# KiCad board imx8x_carrier_v1.kicad_pcb (continued)
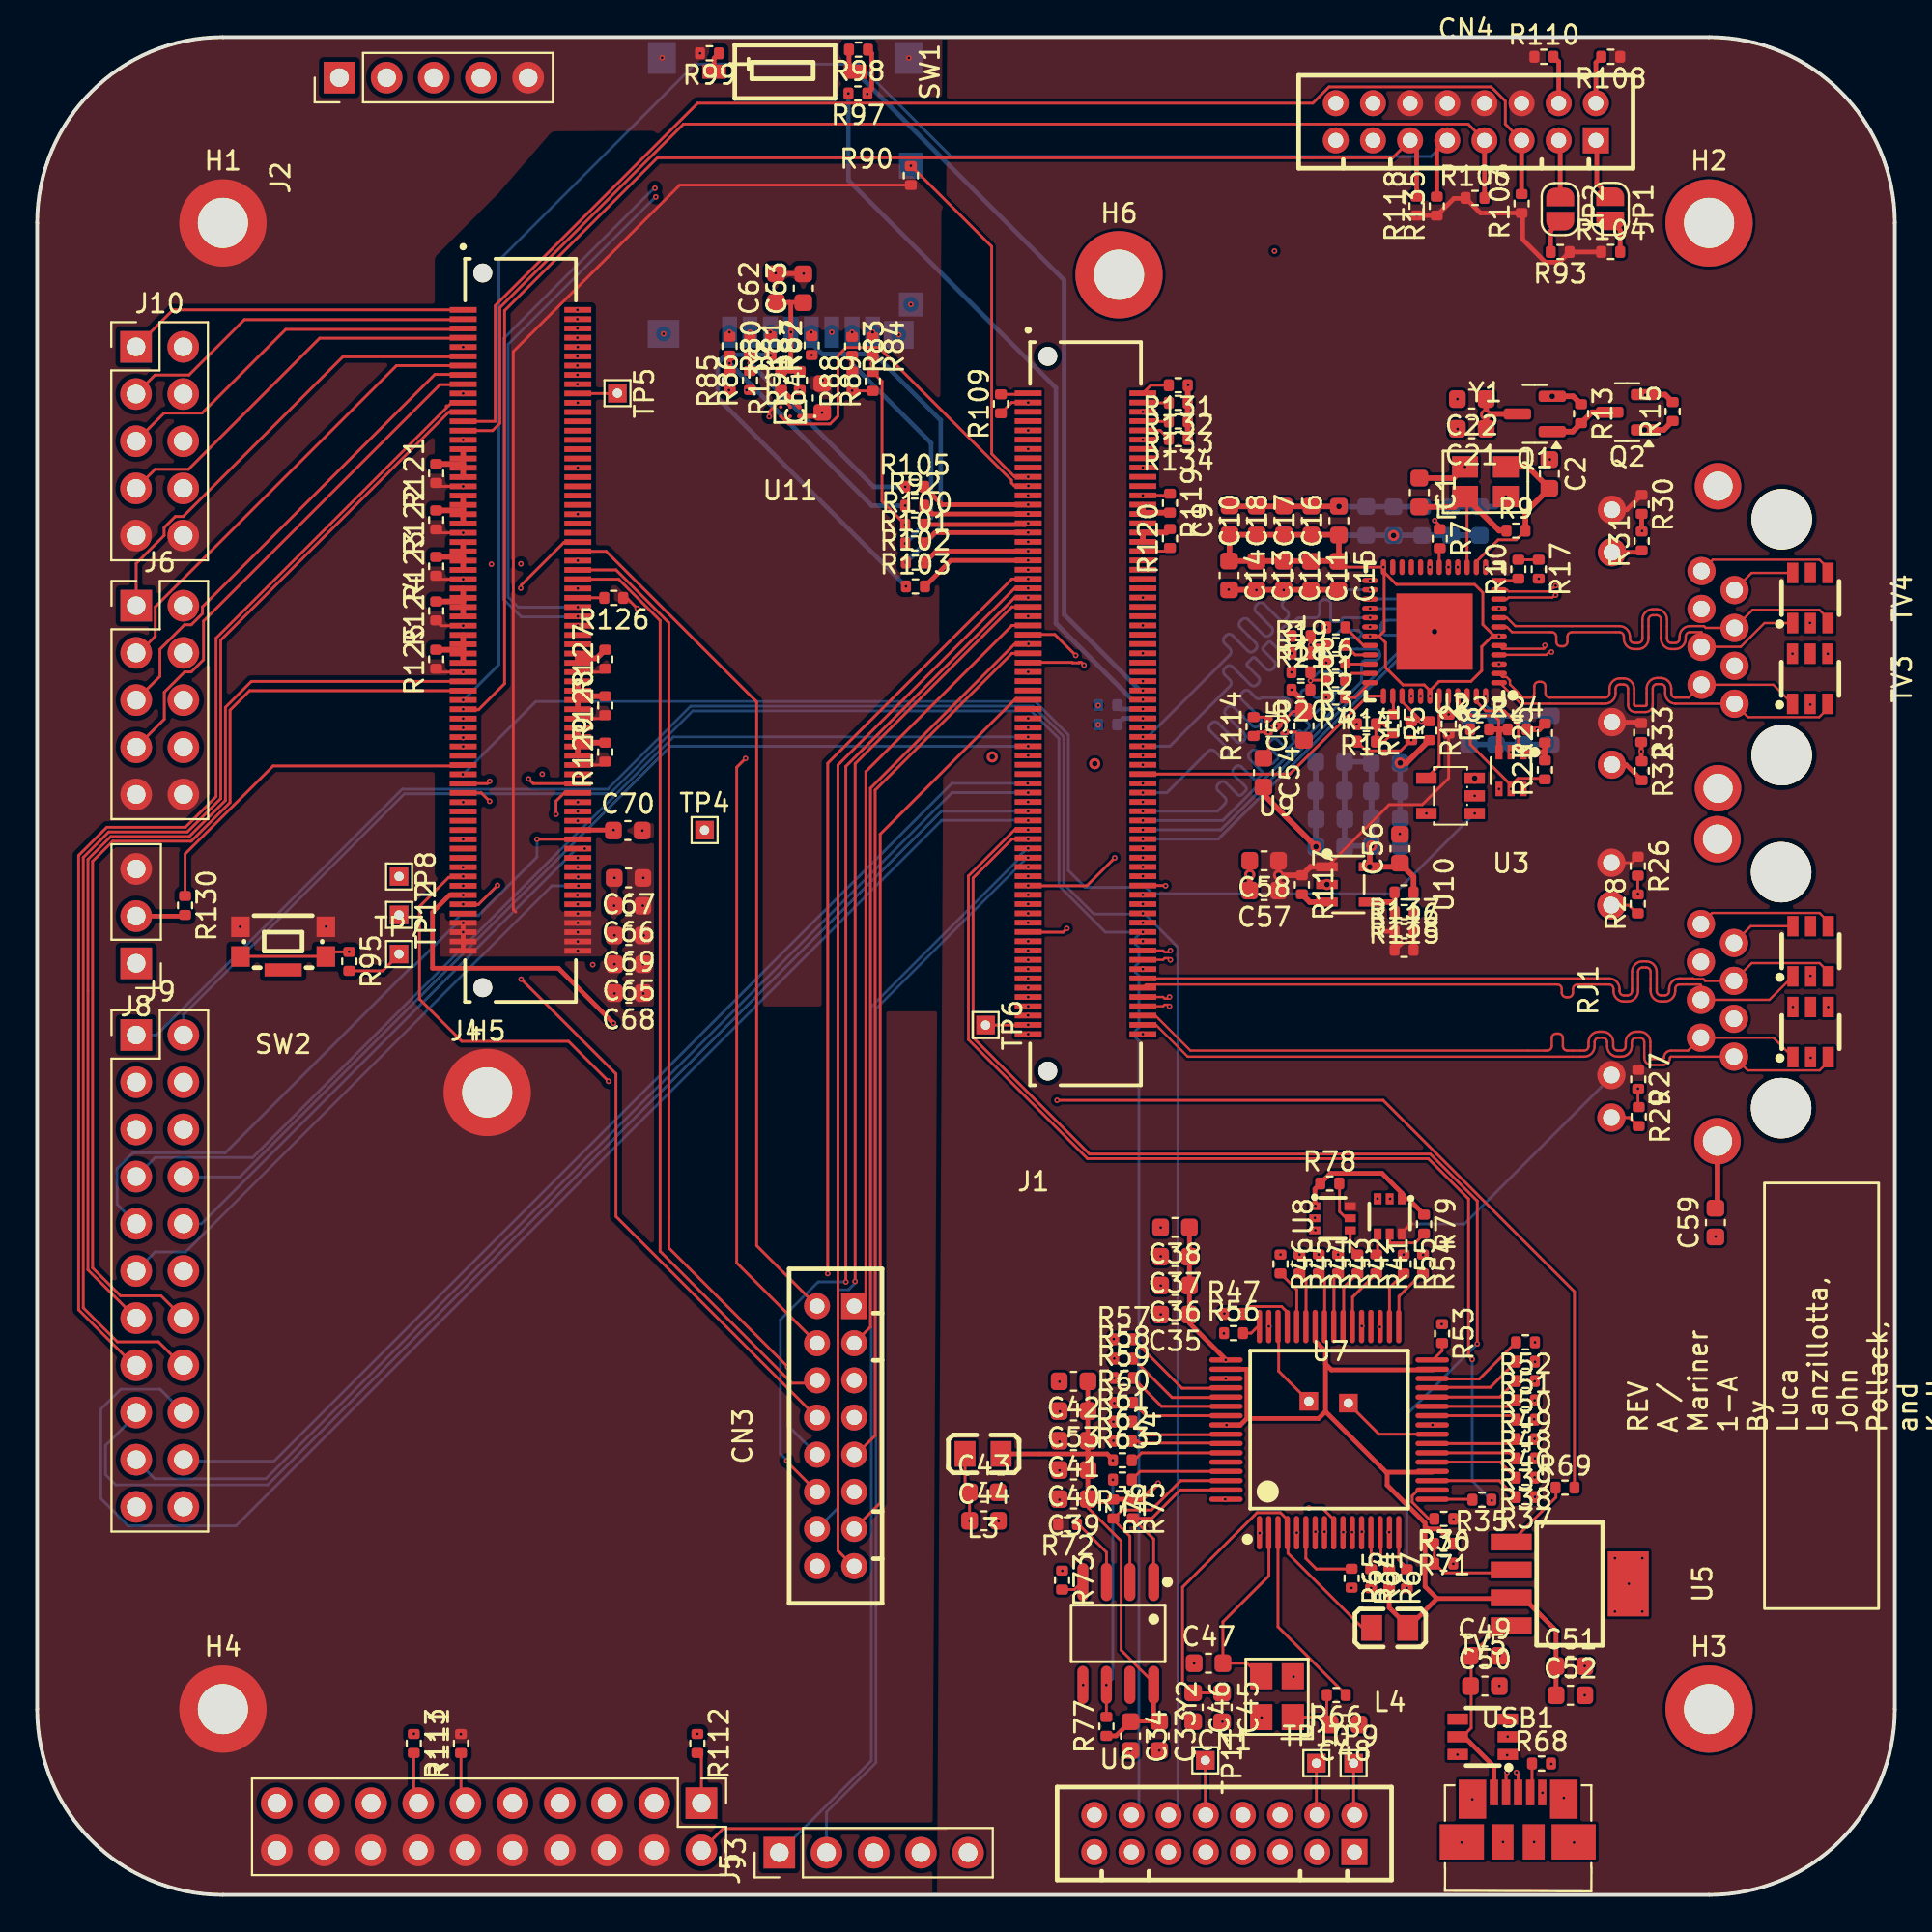
[diagram p0: board, top side]
## Routing (per net, layer and track width the routed paths; a pad name or vN(x,y) marks a point on that pad's centre or on a via; arc(x,y) is an arc through that point) (continued)
  vias: v1(53.35,47.83)
X_CONN_ETH1_PHY_INT: length 1
  SIG1 w0.15: U1.44 75.98,64.52 v1(75.98,63.55) R8.1
X_CONN_USB_OTG2_DN: length 1.4
  SIG1 w0.15: R133.2 59.54,79.31 J1.08
X_CONN_USB_OTG2_DP: length 1.6
  SIG1 w0.15: R134.2 60.45,78.83 J1.10
X_CONN_USB_OTG2_ID: length 1.4
  SIG1 w0.15: J1.04 59.54,80.31 R132.2
X_CONN_USDHC1_CD_B: length 19.7
  SIG1 w0.15: v1(47.03,93.08) 51.38,88.73 51.38,77.57 52.61,76.34 53.28,76.34
  vias: v1(53.35,76.33)
X_CONN_USDHC1_CLK: length 17.9
  SIG1 w0.25: R87.2 41.69,84.1 v1(41.67,84.12)
  SIG3 w0.25: v1(46.76,71.71) 48.64,73.59 48.64,79.38 45.08,82.94 42.26,82.94 41.67,83.53 v1(41.67,84.12)
X_CONN_USDHC1_CMD: length 19.2
  SIG3 w0.25: v1(46.77,70.43) 36.65,80.56 36.65,82.45 37.09,82.9 39.46,82.9 v1(39.48,82.88)
X_CONN_USDHC1_DATA0: length 12.9
  SIG1 w0.25: R88.2 43.87,82.01 v1(43.87,82.4) R83.2
  SIG3 w0.25: v1(43.87,82.4) 48.12,78.15 48.12,74.14 v1(46.73,72.75)
X_CONN_USDHC1_DATA1: length 9.8
  SIG1 w0.15: v1(46.73,73.76) 45.48,75.02 45.48,81.47 44.96,81.99
  SIG1 w0.25: R84.2 v1(44.97,82.41) 44.97,81.99 R89.2
X_CONN_USDHC1_DATA2: length 13.5
  SIG1 w0.25: R80.2 v1(37.27,82.44) 37.27,82.02 R85.2
  SIG3 w0.25: v1(37.27,82.44) 44.93,74.78 v1(46.73,74.78)
X_CONN_USDHC1_DATA3: length 11.9
  SIG1 w0.25: R81.2 v1(38.38,82.45) 38.38,82.04 R86.2
  SIG3 w0.25: v1(46.73,75.8) 45.04,75.8 v1(38.38,82.45)
X_CONN_USDHC1_RESET_B: length 20.3
  SIG1 w0.15: U11.A3 40.44,79.18 42.68,79.18 43.11,79.6 43.11,82.85 43.55,83.3 45.3,83.3 52.45,76.15 52.45,76 52.61,75.84 v1(53.36,75.84)
X_ETH0_A_TX_N: length 41.4
  SIG1 w0.124: J1.136 59.56,47.29 60.23,47.29 62.08,45.45 81.29,45.45 arc(81.46,45.52) 81.53,45.69 81.53,46.12 arc(81.6,46.29) 81.77,46.36 81.89,46.36 arc(82.06,46.29) 82.13,46.12 82.13,45.69 arc(82.2,45.52) 82.37,45.45 83.28,45.45 arc(83.44,45.52) 83.51,45.68 83.51,45.9 arc(83.68,46.3) 84.08,46.46 84.28,46.46 arc(84.67,46.3) 84.84,45.9 84.84,45.68 arc(84.91,45.52) 85.08,45.45 85.28,45.45 arc(85.44,45.52) 85.51,45.68 85.51,45.9 arc(85.68,46.3) 86.08,46.46 86.28,46.46 arc(86.67,46.3) 86.84,45.9 86.84,45.06 arc(86.86,45.01) 86.9,45 87.51,45 arc(87.55,45.01) 87.57,45.06 arc(87.68,45.33) 87.96,45.45 88.87,45.45 RJ1.2 93.47,46.14 TV1.1
X_ETH0_A_TX_P: length 41.8
  SIG1 w0.124: J1.138 60.22,46.83 61.94,45.12 83.28,45.12 arc(83.67,45.28) 83.84,45.68 83.84,45.9 arc(83.91,46.07) 84.08,46.14 84.28,46.14 arc(84.44,46.07) 84.51,45.9 84.51,45.68 arc(84.68,45.28) 85.08,45.12 85.28,45.12 arc(85.67,45.28) 85.84,45.68 85.84,45.9 arc(85.91,46.07) 86.08,46.14 86.28,46.14 arc(86.44,46.07) 86.51,45.9 86.51,45.06 arc(86.63,44.78) 86.9,44.67 87.51,44.67 arc(87.78,44.78) 87.9,45.06 arc(87.91,45.1) 87.96,45.12 RJ1.1 92.08,44.38 95.95,44.38 96.41,44.84 TV1.3
X_ETH0_B_TX_N: length 41.2
  SIG1 w0.124: v1(60.95,48.33) 60.86,48.25 60.69,48.25 60.61,48.33 J1.132
  SIG2 w0.124: v1(94.51,47.79) 92.09,50.22 RJ1.6 89.09,49.74 87.97,49.74 arc(87.57,49.58) 87.41,49.18 87.41,48.95 arc(87.34,48.78) 87.17,48.71 86.97,48.71 arc(86.81,48.78) 86.74,48.95 86.74,49.18 arc(86.57,49.58) 86.17,49.74 82.85,49.74 arc(82.7,49.81) 82.64,49.96 arc(82.57,50.11) 82.42,50.17 82.25,50.17 arc(82.1,50.11) 82.04,49.96 arc(81.97,49.81) 81.82,49.74 81.65,49.74 arc(81.5,49.81) 81.44,49.96 arc(81.37,50.11) 81.22,50.17 81.05,50.17 arc(80.9,50.11) 80.84,49.96 arc(80.77,49.81) 80.62,49.74 80.45,49.74 arc(80.3,49.81) 80.24,49.96 arc(80.17,50.11) 80.02,50.17 79.85,50.17 arc(79.7,50.11) 79.64,49.96 arc(79.57,49.81) 79.42,49.74 79.25,49.74 arc(79.1,49.81) 79.04,49.96 arc(78.97,50.11) 78.82,50.17 78.65,50.17 arc(78.5,50.11) 78.44,49.96 arc(78.37,49.81) 78.22,49.74 78.05,49.74 arc(77.9,49.81) 77.84,49.96 arc(77.77,50.11) 77.62,50.17 77.45,50.17 arc(77.3,50.11) 77.24,49.96 arc(77.17,49.81) 77.02,49.74 76.85,49.74 arc(76.7,49.81) 76.64,49.96 arc(76.57,50.11) 76.42,50.17 76.25,50.17 arc(76.1,50.11) 76.04,49.96 arc(75.97,49.81) 75.82,49.74 62.4,49.74 60.99,48.33 v1(60.95,48.33)
X_ETH0_B_TX_P: length 40.5
  SIG1 w0.124: v1(60.95,47.83) 60.86,47.92 60.69,47.92 60.61,47.83 J1.134
  SIG2 w0.124: v1(96.41,47.79) 95.78,47.16 RJ1.3 90.48,48.02 90.48,48.56 89.94,49.1 89.4,49.1 89.09,49.42 87.97,49.42 arc(87.81,49.35) 87.74,49.18 87.74,48.95 arc(87.57,48.55) 87.17,48.38 86.97,48.38 arc(86.57,48.55) 86.41,48.95 86.41,49.18 arc(86.34,49.35) 86.17,49.42 62.58,49.42 61.11,47.95 61.07,47.95 v1(60.95,47.83)
X_ETH0_C_TXCLK_N: length 41.9
  SIG1 w0.124: J1.128 84.62,49.33 arc(85.01,49.17) 85.18,48.77 85.18,48.65 arc(85.25,48.49) 85.42,48.42 85.62,48.42 arc(85.78,48.49) 85.85,48.65 85.85,49.68 arc(86.02,50.08) 86.42,50.25 86.62,50.25 arc(87.01,50.08) 87.18,49.68 87.18,48.65 arc(87.25,48.49) 87.42,48.42 87.62,48.42 arc(87.78,48.49) 87.85,48.65 87.85,48.77 arc(88.02,49.17) 88.42,49.33 89.14,49.33 89.18,49.3 89.7,49.3 89.79,49.2 RJ1.5 92.3,50.16 95.95,50.16 96.41,49.69 TV2.3
X_ETH0_C_TXCLK_P: length 41.5
  SIG1 w0.124: TV2.1 93.25,48.18 RJ1.4 89.56,48.97 89.53,49 88.42,49 arc(88.25,48.94) 88.18,48.77 88.18,48.65 arc(88.01,48.25) 87.62,48.09 87.42,48.09 arc(87.02,48.25) 86.85,48.65 86.85,49.68 arc(86.78,49.85) 86.62,49.92 86.42,49.92 arc(86.25,49.85) 86.18,49.68 86.18,48.65 arc(86.01,48.25) 85.62,48.09 85.42,48.09 arc(85.02,48.25) 84.85,48.65 84.85,48.77 arc(84.78,48.94) 84.62,49 82.91,49 arc(82.74,48.93) 82.67,48.76 82.67,48.56 arc(82.6,48.39) 82.43,48.32 82.31,48.32 arc(82.14,48.39) 82.07,48.56 82.07,48.76 arc(82,48.93) 81.83,49 59.69,49 J1.130
X_ETH0_D_RXDV_N: length 42.7
  SIG1 w0.124: J1.122 60.61,50.83 60.69,50.75 60.91,50.75 v1(61,50.83) ; RJ1.8 90.16,52.86 95.95,52.86 96.41,52.39 TV2.4
  SIG2 w0.124: RJ1.8 89.56,51.47 89.56,51.47 89.04,51.47 88.32,50.75 86.26,50.75 arc(86.09,50.81) 86.03,50.98 86.03,51.25 arc(85.86,51.65) 85.46,51.82 85.26,51.82 arc(84.86,51.65) 84.7,51.25 84.7,50.98 arc(84.63,50.81) 84.46,50.75 84.26,50.75 arc(84.09,50.81) 84.03,50.98 84.03,51.25 arc(83.86,51.65) 83.46,51.82 83.26,51.82 arc(82.86,51.65) 82.7,51.25 82.7,50.98 arc(82.63,50.81) 82.46,50.75 81.02,50.75 arc(80.86,50.81) 80.79,50.97 arc(80.73,51.13) 80.57,51.2 80.42,51.2 arc(80.26,51.13) 80.19,50.97 arc(80.13,50.81) 79.97,50.75 79.82,50.75 arc(79.66,50.81) 79.59,50.97 arc(79.53,51.13) 79.37,51.2 79.22,51.2 arc(79.06,51.13) 78.99,50.97 arc(78.93,50.81) 78.77,50.75 61.09,50.75 v1(61,50.83)
X_ETH0_D_RXDV_P: length 38.7
  SIG1 w0.124: TV2.6 92.25,52.14 RJ1.7 ; J1.124 60.61,50.33 60.69,50.42 60.91,50.42 v1(61,50.33)
  SIG2 w0.124: RJ1.7 89.79,51.24 89.7,51.14 89.18,51.14 88.45,50.42 86.26,50.42 arc(85.86,50.58) 85.7,50.98 85.7,51.25 arc(85.63,51.42) 85.46,51.49 85.26,51.49 arc(85.09,51.42) 85.03,51.25 85.03,50.98 arc(84.86,50.58) 84.46,50.42 84.26,50.42 arc(83.86,50.58) 83.7,50.98 83.7,51.25 arc(83.63,51.42) 83.46,51.49 83.26,51.49 arc(83.09,51.42) 83.03,51.25 83.03,50.98 arc(82.86,50.58) 82.46,50.42 61.09,50.42 v1(61,50.33)
X_ETH0_INT: length 2.3
  SIG1 w0.15: TP6.1 53.36,46.82 53.38,46.84
  vias: v1(53.35,46.83)
X_ETH0_LED0: length 36.9
  SIG1 w0.15: 86.19,42.38 86.17,42.4 v1(86.17,43.4)
  GND1 w0.15: v1(86.17,43.4) 85.97,43.19 63.23,43.19 56.09,50.33 v1(53.35,50.33)
X_ETH0_LED1: length 38.1
  SIG1 w0.15: R26.2 86.16,53.8 86.16,53.79
  GND1 w0.15: v1(86.17,53.88) 86.17,53.38 85.13,52.33 61.23,52.33 59.82,50.93 55.95,50.93 55.13,51.75 53.2,51.75 52.95,51.5 52.95,50.17 53.28,49.83 v1(53.35,49.83)
X_ETH_GPIO0: length 30
  SIG1 w0.15: U1.39 73.47,64.23 74.53,63.18 R12.1 v1(74.51,63.18) R11.2
  GND2 w0.15: 53.38,49.32 60.56,49.32 74.42,63.18 v1(74.51,63.18)
  vias: v1(53.35,49.33)
X_ETH_GPIO1: length 30.8
  GND2 w0.15: 53.36,48.82 53.28,48.82 52.95,49.15 52.95,51.5 53.18,51.73 53.32,51.73 53.75,52.17 53.75,54.63 59.35,60.23 59.69,60.23 63.03,63.58 73.02,63.58 v1(73.97,64.53)
  vias: v1(53.35,48.83)
X_LSIO_GPIO0_IO13: length 120.3
  SIG3 w0.15: 26.97,59.52 30.72,59.52 35.19,63.98 53.62,63.98 55.26,62.34 55.26,54.42 56.89,52.79 59.48,52.79 ; 59.56,52.79 59.62,52.79 61.41,51.01 61.41,4.8 CN1.12 ; 26.96,59.52 19.66,59.52 6.42,46.28 J9.1
  vias: v1(59.52,52.83)
X_LSIO_GPIO0_IO14: length 117.5
  SIG3 w0.15: J9.2 7.87,47.38 19.76,59.27 30.83,59.27 35.29,63.73 53.51,63.73 55.01,62.24 55.01,54.32 57.51,51.82 59.6,51.82 59.51,51.73 59.35,51.73 59.12,51.5 59.12,51.17 59.31,50.98 59.31,50.19 59.12,50 59.12,49.67 59.31,49.48 59.31,46.69 59.12,46.5 59.12,46.17 59.31,45.98 59.31,4.7 CN1.14
  vias: v1(59.52,51.83)
X_LSIO_GPIO0_IO15: length 86
  PWR w0.15: J9.3 3.78,43.74 2.76,44.77 2.76,56.17 4.28,57.69 11.66,57.69 24.75,70.79 29.46,70.79 30.33,69.92 43.83,69.92 54.71,59.04 54.71,57.08 59.47,52.32 59.53,52.32
  vias: v1(59.52,52.33)
X_LSIO_GPIO0_IO16: length 89.9
  PWR w0.15: 59.53,53.82 59.47,53.82 59.12,54.17 57.97,54.17 54.96,57.18 54.96,59.14 43.93,70.17 30.43,70.17 29.88,70.72 ; J9.4 6.85,42.72 4.91,42.72 4.31,43.32 4.31,43.49 3.68,43.49 2.51,44.67 2.51,56.27 4.18,57.95 11.55,57.95 24.75,71.14 29.46,71.14 29.91,70.69
  vias: v1(59.52,53.83)
X_LSIO_GPIO1_IO09: length 36.2
  SIG1 w0.15: v1(26.91,56.82) J4.116
  SIG3 w0.15: 5.33,36.14 4.31,37.17 4.31,39.09 5.16,39.94 10.13,39.94 20.16,49.97 20.26,49.97 22.53,52.24 22.53,52.49 22.77,52.72 23.76,52.72 26.91,55.87 v1(26.91,56.82)
X_LSIO_GPIO1_IO10: length 30
  SIG3 w0.15: v1(29.48,56.32) 29.04,56.32 8.84,36.12 J9.10
X_LSIO_GPIO1_IO12: length 32.4
  SIG3 w0.15: v1(29.13,54.32) 27.71,54.32 8,34.61 6.36,34.61 J9.11
X_LSIO_GPIO1_IO13: length 41.7
  SIG2 w0.15: J9.22 28.16,41.17 28.16,52.94 29.04,53.82 v1(29.08,53.82)
X_LSIO_GPIO1_IO14: length 45.8
  SIG2 w0.15: 5.36,20.84 6.42,21.91 8.54,21.91 27.91,41.27 27.91,54.49 28.73,55.32 v1(29.11,55.32)
X_LSIO_GPIO1_IO25: length 66.5
  SIG1 w0.15: 8.01,28.29 6.53,29.77 4.31,29.77 2.48,31.6 2.48,55.85 3.86,57.22 8.09,57.22 9.88,59.02 9.88,67.54 22.16,79.82 J4.23
X_LSIO_GPIO1_IO26: length 64.6
  SIG1 w0.15: J4.21 22.31,80.32 22.14,80.15 22.03,80.15 22.03,80.04 9.63,67.64 9.63,59.12 7.98,57.47 3.75,57.47 2.23,55.95 2.23,31.49 5.28,28.44
X_LSIO_GPIO1_IO29: length 52.9
  SIG1 w0.15: 2.73,48.65 2.73,33.64 J9.13 ; 2.73,48.67 2.73,55.74 3.96,56.97 8.19,56.97 10.13,58.91 10.13,63.92 11.53,65.32 23.01,65.32
X_LSIO_GPIO1_IO30: length 54.6
  SIG1 w0.15: J9.14 6.67,32.24 4.49,32.24 2.98,33.75 2.98,55.64 4.06,56.72 8.29,56.72 10.38,58.81 10.38,63.77 11.43,64.82 J4.83
X_LSIO_QSPI0A_DATA0: length 22
  SIG2 w0.15: v1(29.08,85.32) 11.61,85.32 9.62,83.33 J10.2
X_LSIO_QSPI0A_DATA1: length 23
  SIG2 w0.15: J10.4 7.86,81.02 11.66,84.82 v1(29.08,84.82)
X_LSIO_QSPI0A_DATA2: length 25
  SIG2 w0.15: v1(29.08,84.32) 11.76,84.32 9.48,82.04 9.48,80.72 7.86,79.1 J10.6
X_LSIO_QSPI0A_DATA3: length 27.1
  SIG2 w0.15: v1(29.08,83.82) 11.73,83.82 9.78,81.86 9.78,77.62 J10.8
X_LSIO_QSPI0A_DQS: length 21
  SIG1 w0.15: 22.96,83.79 15.21,83.79 8.15,76.74 6.35,76.74 J10.7
X_LSIO_QSPI0A_SCLK: length 20.1
  SIG1 w0.15: J10.5 6.84,79.76 8.88,79.76 13.38,84.27 22.93,84.27
X_LSIO_QSPI0A_SS0_B: length 18.5
  SIG1 w0.15: J10.1 7.31,85.32 22.96,85.32
X_LSIO_QSPI0A_SS1_B: length 19.3
  SIG1 w0.15: 22.93,84.79 11.16,84.79 8.18,81.82 6.35,81.82 J10.3
X_LSIO_QSPI0B_DATA0: length 27.9
  SIG2 w0.15: v1(29.08,82.82) 19.31,82.82 7.87,71.38 J6.2
X_LSIO_QSPI0B_DATA1: length 29.9
  SIG2 w0.15: v1(29.08,82.32) 19.41,82.32 8.98,71.89 8.98,68.57 7.87,67.46 J6.4
X_LSIO_QSPI0B_DATA2: length 31.8
  SIG2 w0.15: v1(29.08,81.82) 19.66,81.82 9.41,71.57 9.41,65.85 J6.6
X_LSIO_QSPI0B_DATA3: length 33.8
  SIG2 w0.15: J6.8 9.88,63.78 9.88,71.42 19.78,81.32 v1(29.08,81.32)
X_LSIO_QSPI0B_DQS: length 27.8
  SIG1 w0.15: 23.01,81.29 21.68,81.29 8.96,68.57 8.96,66.49 8.3,65.83 7.93,65.83 6.85,64.74 6.85,63.29 J6.7
X_LSIO_QSPI0B_SCLK: length 25.9
  SIG1 w0.15: 22.93,81.84 21.41,81.84 8.9,69.34 8.9,68.97 8.3,68.37 7.93,68.37 6.61,67.05 6.61,65.59 J6.5
X_LSIO_QSPIOB_SS0_B: length 24.7
  SIG1 w0.15: J6.1 5.33,71.67 6.84,73.17 6.84,73.59 7.44,74.2 7.86,74.2 16.46,82.79 22.93,82.79
X_LSIO_QSPIOB_SS1_B: length 25
  SIG1 w0.15: 5.31,66.69 6.36,67.75 6.36,69.33 19.35,82.32 J4.13
X_LSO_GPIO0_IO19: length 70
  SIG2 w0.15: 53.38,54.84 53.27,54.84 52.97,55.15 31.66,55.15 29.5,57.3 ; J9.5 1.53,45 1.53,55.69 3.63,57.79 26.96,57.79 27.33,57.42 29.38,57.42 29.51,57.29
  vias: v1(53.35,54.83)
X_LSO_GPIO0_IO20: length 71.7
  SIG2 w0.15: 7.88,41.14 6.58,42.44 5.13,42.44 1.78,45.79 1.78,55.59 3.69,57.49 26.9,57.49 27.23,57.17 29.26,57.17 32.58,53.84 53.33,53.84
  vias: v1(53.35,53.83)
X_LSO_GPIO0_IO30: length 58
  SIG3 w0.15: 5.21,38.54 6.35,39.69 11.6,39.69 34.24,62.33 v1(53.35,62.33)
X_LSO_GPIO0_IO31: length 55.1
  SIG3 w0.15: v1(53.35,61.83) 34.1,61.83 10.91,38.64 7.81,38.64
X_LSO_GPIO1_IO17: length 60.7
  SIG1 w0.15: v1(53.32,59.83) 53.32,59.85
  SIG3 w0.15: 7.76,23.34 12.76,23.34 49.24,59.83 53.32,59.83 v1(53.32,59.83)
X_LSO_GPIO1_IO18: length 63.7
  SIG3 w0.15: 5.33,23.39 6.33,22.4 12.31,22.4 49.24,59.33 v1(53.35,59.33)
X_LSO_GPIO1_IO19: length 76.5
  SIG3 w0.15: J9.18 6.62,27.22 4.51,27.22 3.43,26.14 3.43,21.33 4.91,19.86 10.7,19.86 48.68,57.84 53.33,57.84
  vias: v1(53.35,57.83)
X_LSO_GPIO1_IO20: length 68.9
  SIG3 w0.15: 5.38,25.89 3.68,24.19 3.68,22.62 4.23,22.07 12.41,22.07 48.67,58.33 v1(53.35,58.33)
X_M40_UART0_RX: length 57.8
  GND1 w0.15: v1(22.92,55.32) 27.91,55.32 29.32,56.72 31.42,56.72 50.65,37.49 72.16,37.49
  vias: v1(72.15,37.48)
X_M40_UART0_TX: length 47.6
  GND1 w0.15: v1(29.12,54.8) 30.46,54.8 48.94,36.32 68.26,36.32 v1(68.8,35.78)
X_ON_OFF_BUTTON: length 19.2
  SIG1 w0.15: 22.98,60.77 12.7,60.77 7.96,56.03 R130.1
X_PGOOD: length 81.5
  SIG1 w0.15: v1(24.36,58.87) 23.91,59.32 J4.105 ; R69.2 82.76,32.47 72.46,42.77 v1(54.9,42.77)
  GND2 w0.15: v1(54.9,42.77) 43.65,42.77 29,57.42 25.8,57.42 24.38,58.84
X_POR_B_1V8: length 66.5
  SIG3 w0.15: 56.22,54.43 56.41,54.23 59.69,54.23 60.03,53.89 73.06,53.89 v1(77.38,58.21) ; 22.91,60.31 26.84,64.23 53.72,64.23 55.51,62.45 55.51,55.14 56.22,54.43
  vias: v1(22.91,60.32)
X_POR_B_3V3: length 59.6
  SIG1 w0.15: J4.103 24.23,59.82 v1(24.36,59.94)
  PWR w0.15: 24.38,59.94 23.81,59.37 23.81,53.63 23,52.82 22.16,52.82 20.16,50.82 20.16,9.22 17.98,7.04 J5.15
X_SCU_JTAG_TCK: length 58
  PWR w0.15: v1(29.11,60.32) 28.11,60.32 27.11,59.32 27.11,57.19 27.31,56.99 27.31,56.65 27.11,56.45 27.11,5.72 26.32,4.93 J5.9
X_SCU_JTAG_TDI: length 56.4
  SIG1 w0.15: 29.11,59.32 28.37,59.32 27.93,58.88 v1(27.93,58.17)
  PWR w0.15: J5.5 30.68,6.14 27.93,8.89 v1(27.93,58.17)
X_SCU_JTAG_TDO: length 56.7
  SIG1 w0.15: v1(26.46,60.07) 26.71,59.82 J4.104
  PWR w0.15: 20.31,8.67 20.41,8.77 20.41,46.8 24.21,50.59 24.21,57.82 v1(26.46,60.07)
  vias: v1(20.28,8.67)
X_SCU_JTAG_TMS: length 55.9
  PWR w0.15: 27.56,56.55 27.36,56.35 27.36,5.71 J5.7 ; 27.56,56.55 27.54,56.53 ; 27.56,56.55 27.56,57.09 27.36,57.29 27.36,58.35 27.83,58.82 v1(29.11,58.82)
X_SCU_JTAG_TRST_B: length 56.7
  PWR w0.15: J5.3 32.24,4.93 28.18,8.99 28.18,57.82 28.68,58.32 v1(29.11,58.32)
X_SCU_WDOG0_WDOG_OUT: length 75.4
  SIG1 w0.15: 22.96,54.77 22.15,54.77 20.58,53.2 20.58,48.22 22.86,45.94 28.61,45.94 v1(30.76,43.79)
  PWR w0.15: TP8.1 v1(22.93,54.82) ; v1(30.76,43.79) 30.76,27.68 54.14,4.3 CN1.16
~{X_nRESET_IN}: length 21
  SIG1 w0.15: 10.84,50.52 15.45,50.52 15.47,50.5 15.73,50.76 R95.1
  PWR w0.15: v1(16.79,50.77) 16.79,57.25 22.36,62.82 v1(22.93,62.82)
Net-(Card1-CD/DAT3): length 0.2
  SIG1 w0.25: R81.1 38.38,84.11 v1(38.37,84.12)
Net-(Card1-CMD): length 0.2
  SIG1 w0.25: v1(39.47,84.12) 39.48,84.11 R82.1
Net-(Card1-DAT0): length 0.3
  SIG1 w0.25: R83.1 v1(43.87,84.12)
Net-(Card1-DAT1): length 0.3
  SIG1 w0.25: R84.1 v1(44.97,84.12)
Net-(Card1-DAT2): length 0.2
  SIG1 w0.25: R80.1 v1(37.27,84.12)
Net-(Card1-VDD): length 6.2
  SIG1 w0.25: C62.1 40.5,85.72 ; 40.5,85.72 41.23,85.72 C63.1 ; 40.5,85.72 40.57,85.65 v1(40.57,84.12) 40.57,82.04 40.58,82.03 ; 40.58,82.03 R91.2 ; 40.58,82.03 R136.2
Net-(CN1-Pad2): length 2.9
  SIG1 w0.15: 70.83,4.22 70.87,4.25 TP9.1
Net-(CN1-Pad4): length 2.8
  SIG1 w0.15: 68.86,4.29 68.88,4.29 68.86,4.32 TP10.1
Net-(CN1-Pad10): length 3.1
  SIG1 w0.15: TP11.1 62.88,4.24 62.83,4.19
Net-(J1-A1): length 1.5
  SIG1 w0.15: J1.01 53.29,80.77 R109.2
Net-(J1-A13): length 6
  SIG1 w0.25: R105.2 48.71,74.83 v1(53.35,74.83)
Net-(J1-A14): length 5.8
  SIG1 w0.25: v1(53.35,74.33) 48.2,74.33 R92.2
Net-(J1-A15): length 5.6
  SIG1 w0.25: R100.2 53.17,73.76 53.24,73.83 v1(53.35,73.83)
Net-(J1-A16): length 5.8
  SIG1 w0.25: v1(53.35,73.33) 48.33,73.33 R101.2
Net-(J1-A18): length 5.8
  SIG1 w0.25: v1(53.35,72.33) 48.4,72.33 R102.2
Net-(J1-A19): length 6.1
  SIG1 w0.25: v1(53.35,71.83) 49.19,71.83 R103.2
Net-(J1-B13): length 2
  SIG1 w0.3: R119.2 59.59,74.4 J1.28 J1.26
Net-(J1-B16): length 2
  SIG1 w0.3: R120.2 60.79,73.33 J1.32 J1.34
Net-(J4-C16): length 3
  SIG1 w0.3: 22.93,77.01 J4.37 ; 22.93,77.01 22.92,77.02 R121.2 ; 22.93,77.01 J4.31
Net-(J4-C21): length 3
  SIG1 w0.3: 22.93,74.56 J4.47 ; 22.93,74.56 J4.41 ; 22.93,74.56 22.89,74.52 R122.2
Net-(J4-C26): length 3
  SIG1 w0.3: J4.57 22.93,72.01 ; 22.93,72.01 J4.51 ; 22.93,72.01 22.92,72.02 R123.2
Net-(J4-C31): length 3
  SIG1 w0.3: 22.93,69.61 J4.67 ; 22.93,69.61 J4.61 ; 22.93,69.61 22.92,69.62 R124.2
Net-(J4-C36): length 3
  SIG1 w0.3: 22.93,67.06 J4.77 ; 22.93,67.06 22.89,67.02 R125.2 ; 22.93,67.06 J4.71
Net-(J4-D32): length 1.4
  SIG1 w0.15: R126.2 30.52,69.82 J4.64
Net-(J4-D38): length 2.2
  SIG1 w0.3: 29.1,66.56 30.12,66.56 R127.2 ; 29.1,66.56 J4.76 ; 29.1,66.56 J4.78
Net-(J4-D41): length 3
  SIG1 w0.3: 29.1,64.56 J4.88 ; 29.1,64.56 J4.82 ; 29.1,64.56 29.14,64.52 R128.2
Net-(J4-D46): length 3
  SIG1 w0.3: 29.1,62.11 29.19,62.02 R129.2 ; 29.1,62.11 J4.92 ; 29.1,62.11 J4.98
Net-(J5-JTAG_RTCK): length 2.8
  SIG1 w0.15: 23.08,4.92 22.81,5.19 R111.1
Net-(J5-JTAG_TDO): length 2.8
  SIG1 w0.15: 20.58,4.94 20.27,5.25 R113.2
Net-(J5-TREF): length 2.8
  SIG1 w0.15: J5.1 35.76,7.37 35.51,7.62
Net-(J8-Pin_2): length 2.7
  SIG1 w0.25: 8.01,52.74 7.95,52.68 J8.2
Net-(JP1-B): length 1.9
  SIG1 w0.25: R104.2 85.21,89.61 84.68,90.14
Net-(JP2-B): length 1.9
  SIG1 w0.25: JP2.2 81.47,89.58 81.47,88.39
Net-(Q1-D): length 24.1
  SIG1 w0.3: Q1.3 78.01,79.72 78,79.71 ; 78,79.71 C21.1 ; 78,79.71 C22.1
  SIG2 w0.15: v1(77.97,64.53) v1(77.97,71.47) v2(77.97,79.67)
  SIG3 w0.15: C19.1 77.97,64.03 v1(77.97,64.53)
  SIG3 w0.3: C20.1 C24.1
Net-(Q1-G): length 3.5
  SIG1 w0.3: Q2.3 83.7,79.81 R13.2 82.65,78.77 Q1.1
Net-(R10-Pad2): length 1.1
  SIG1 w0.15: R10.2 R17.1
Net-(R99-Pad1): length 1.1
  SIG1 w0.25: R99.1 36.44,98.87 SW1.1
Net-(R115-Pad1): length 2
  SIG1 w0.25: R115.1 74.1,50.89 74.08,50.87
Net-(RJ1-L-): length 1.6
  SIG1 w0.15: RJ1.9 85.71,41.84 86.18,41.37
Net-(RJ1-R-): length 1.6
  SIG1 w0.15: 86.13,52.82 85.68,53.27 RJ1.11
Net-(RJ2-L-): length 1.9
  SIG1 w0.25: R32.2 85.53,60.84 RJ2.9
Net-(RJ2-R-): length 1.6
  SIG1 w0.25: R31.1 86.27,72.27 RJ2.11
Net-(U1-CLK_OUT): length 1
  SIG1 w0.15: R7.2 75.47,72.46 U1.18
Net-(U1-RBIAS): length 1.1
  SIG1 w0.15: R10.1 79.63,70.75 U1.12
Net-(U1-RESET_N): length 4.7
  SIG1 w0.15: U2.4 75.47,60.8 U1.43
Net-(U1-RX_CLK): length 1.7
  SIG1 w0.15: R6.1 71.4,67.25 U1.32
Net-(U1-RX_CTRL): length 1
  SIG1 w0.15: R5.1 73,64.5 U1.38
Net-(U1-RX_D0): length 1.5
  SIG1 w0.15: R1.1 70.95,66.75 U1.33
Net-(U1-RX_D1): length 1.4
  SIG1 w0.15: R2.1 70.49,66.25 U1.34
Net-(U1-RX_D2): length 1.5
  SIG1 w0.15: R3.1 70.76,65.75 U1.35
Net-(U1-RX_D3): length 1.7
  SIG1 w0.15: R4.1 70.95,64.45 U1.36
Net-(U1-X_I): length 9.5
  SIG1 w0.15: U1.15 76.97,75.16 Y1.1
  SIG1 w0.3: R9.1 78.69,73.44 Y1.1 76.3,74.71 C1.2
Net-(U1-X_O): length 9.3
  SIG1 w0.15: U1.14 77.47,71.76 78.65,72.94 79.62,72.94 R9.2
  SIG1 w0.3: Y1.3 80.24,76.87 C2.2 80.11,74.42 R9.2
Net-(U4-ACBUS0): length 4.6
  SIG1 w0.15: U4.26 79.41,25.79 79.61,25.59
Net-(U4-ACBUS1): length 5
  SIG1 w0.15: 74.76,26.29 79.28,26.29 R49.2
Net-(U4-ACBUS2): length 5.1
  SIG1 w0.15: R50.2 78.74,26.79 74.91,26.79
Net-(U4-ACBUS3): length 5.3
  SIG1 w0.15: R51.2 78.22,27.32 74.91,27.32
Net-(U4-ACBUS4): length 5.5
  SIG1 w0.15: 74.93,27.77 77.63,27.77 R52.2
Net-(U4-ACBUS5): length 1.1
  SIG1 w0.15: 75.11,28.77 75.63,29.29 R53.2
Net-(U4-ACBUS6): length 3.5
  SIG1 w0.15: R54.2 74.54,33.45 73.31,32.22 73.31,30.57
Net-(U4-ACBUS7): length 3.2
  SIG1 w0.15: U4.34 72.8,32.68 73.56,33.44
Net-(U4-ADBUS0): length 2.1
  SIG1 w0.15: U4.16 73.3,18.03 73.76,17.57
Net-(U4-ADBUS1): length 2.2
  SIG1 w0.15: 77.33,21.27 77.31,21.29 U4.17
Net-(U4-ADBUS2): length 3.2
  SIG1 w0.15: 75.26,20.23 74.92,20.23 74.02,21.13 74.02,21.48 74.34,21.79 U4.18
Net-(U4-ADBUS3): length 4.9
  SIG1 w0.15: 79.63,21.37 78.71,22.29 U4.19
Net-(U4-ADBUS4): length 4.9
  SIG1 w0.15: U4.21 78.76,23.29 79.63,22.42
Net-(U4-ADBUS5): length 4.6
  SIG1 w0.15: 79.61,23.47 79.28,23.79 U4.22
Net-(U4-ADBUS6): length 4.6
  SIG1 w0.15: 79.63,24.52 79.41,24.29 U4.23
Net-(U4-ADBUS7): length 5.2
  SIG1 w0.15: 70.56,26.47 72.23,24.79 U4.24
Net-(U4-BCBUS0): length 1
  SIG1 w0.15: R56.2 65.35,30.24 65.78,30.67
Net-(U4-BCBUS1): length 6.1
  SIG1 w0.15: R57.2 61.63,27.27 63.98,27.27
Net-(U4-BCBUS2): length 5.9
  SIG1 w0.15: R58.2 61.09,26.77 64.01,26.77
Net-(U4-BCBUS3): length 5.7
  SIG1 w0.15: R59.2 60.52,26.29 64.03,26.29
Net-(U4-BCBUS4): length 5.3
  SIG1 w0.15: R60.2 59.69,25.79 64.03,25.79
Net-(U4-BCBUS5): length 5.3
  SIG1 w0.15: 63.98,24.77 59.66,24.77 R61.2
Net-(U4-BCBUS6): length 5.1
  SIG1 w0.15: R62.2 59.24,24.44 59.36,24.32 64.01,24.32
Net-(U4-BCBUS7): length 5.3
  SIG1 w0.15: R63.2 59.06,23.39 59.46,23.79 64.06,23.79
Net-(U4-BDBUS0): length 3.8
  SIG1 w0.15: R41.2 70.81,32.17 70.81,30.19
Net-(U4-BDBUS1): length 3.5
  SIG1 w0.15: R42.2 70.33,32.71 70.33,30.29
Net-(U4-BDBUS2): length 3.3
  SIG1 w0.15: 69.81,30.22 69.81,33.23 R43.2
Net-(U4-BDBUS3): length 3.3
  SIG1 w0.15: R44.2 69.31,33.13 69.31,30.27
Net-(U4-BDBUS4): length 3.2
  SIG1 w0.15: R45.2 68.31,33.09 68.31,30.37
Net-(U4-BDBUS5): length 3.5
  SIG1 w0.15: 67.81,30.27 67.81,32.57 R46.2
Net-(U4-BDBUS6): length 3.5
  SIG1 w0.15: 64.91,31.27 65.31,31.67 66.99,31.67 67.3,31.36 U4.45
Net-(U4-BDBUS7): length 4.7
  SIG1 w0.15: TP1.1 66.83,28.19 66.83,30.64
Net-(U4-EECLK): length 10.7
  SIG1 w0.15: U4.62 61.56,22.29 59.98,20.72 58.4,20.72 57.93,20.24 ; U6.2 58.82,19.31 57.91,20.22
Net-(U4-EECS): length 9.7
  SIG1 w0.15: R75.2 60.01,20.27 61.53,21.79 64.08,21.79 ; U6.1 60.1,19.15 58.96,20.29
Net-(U4-EEDATA): length 5.3
  SIG1 w0.15: R74.1 59.37,22.79 64.01,22.79
Net-(U4-OSCO): length 10.2
  SIG1 w0.15: 70.46,10.77 66.8,14.43 U4.3
Net-(U4-REF): length 4
  SIG1 w0.15: 70.71,17.54 68.86,17.54 68.3,18.11 U4.6
Net-(U4-TEST): length 2
  SIG1 w0.15: 71.78,19.54 71.81,19.52 R64.1
Net-(U4-VPHY): length 23.1
  SIG1 w0.15: 67.31,19.44 67.31,20.19 66.93,20.57 65.66,20.57 61.66,16.56 61.66,11.45 C46.1 63.86,10.87 63.86,10.87 ; 67.33,19.57 67.33,18.38 71.35,14.37 L4.2
Net-(U4-VPLL): length 24.8
  SIG1 w0.15: v1(68.46,20.82) 69.18,20.82 69.81,20.19 69.81,19.32 ; L3.2 49.95,21.88 50.21,21.62 ; C43.1 50.19,21.66 C44.1
  PWR w0.15: v1(68.46,20.82) 50.91,20.82 v1(50.21,20.12)
Net-(U4-~{RESET}): length 2.3
  SIG1 w0.15: 72.33,19.64 72.33,17.98 R67.1
Net-(U5-ADJ): length 5.5
  SIG1 w0.15: R71.2 75.21,17.85 75.21,17.84 75.72,17.34 79.22,17.34 79.36,17.47
Net-(U5-EN): length 4
  SIG1 w0.15: U5.1 81.76,21.4 81.76,21.94
Net-(U6-DI): length 3.8
  SIG1 w0.15: 56.01,19.99 57.56,18.44 U6.3
Net-(U6-DO): length 1.3
  SIG1 w0.15: 56.28,16.87 55.84,16.43 R73.2
Net-(U6-ORG): length 13
  SIG1 w0.15: R74.2 57.91,22.35 v1(57.91,22.34) ; 57.56,11.39 57.56,11.39 R77.2
  SIG3 w0.15: v1(57.56,11.29) 57.91,11.64 v1(57.91,22.34)
Net-(U7-OE): length 2.2
  SIG1 w0.15: 70.11,38.29 70.11,36.78 70.47,36.42 U7.5
Net-(U8-OE): length 2.5
  SIG1 w0.15: U8.5 72.81,35.12 72.83,35.09 74.18,35.09 74.66,35.57
Net-(U9-EN): length 0.9
  SIG1 w0.15: U9.3 66.11,63.4 R114.2
Net-(U10-ADJ): length 2.4
  SIG1 w0.3: 73.08,53.43 73.08,53.95 R116.2 ; 73.08,53.43 R115.2 ; 73.08,53.43 73.08,53.44 U10.4
Net-(U10-EN): length 1.5
  SIG1 w0.3: U10.3 68.5,53.44 R117.2

## Copper pours and planes (outline as drawn; the poured copper is in the pictures)
GND on SIG1: 48.8,94.78 48.89,103.61 -4.9,103.28 -3.68,-2.94 48.43,-1.97
GND on SIG3: -5.34,103.37 -4.14,-3.31 102.72,-2.98 102.97,104.4
GND on GND1: -4.94,103.97 102.83,104.07 103.03,-3.01 -3.84,-3.23
GND on SIG2: -5.36,103.68 -4.6,-2.97 102.9,-2.54 102.36,103.67 -5.36,103.69
GND on GND2: -4.86,104.17 102.92,104.27 103.12,-2.8 -3.76,-3.03
GNDPWR on GND1: 87.95,61.84 92.4,61.82 92.29,73.49 88.74,73.56 88.77,77.81 96.5,77.71 96.52,37.98 87.95,38.04 87.96,43.38 93.72,43.41 93.51,53.04 87.94,53.28
VCC_3V3 on SIG1: 21.66,88.05 21.66,50.5 30.33,50.51 30.33,47.82 48.38,47.82 48.45,55.36 48.47,55.36 48.8,94.78 27.84,94.68 25.03,91.43
VCC_3V3 on PWR: -5.43,103.69 -4.3,-2.69 102.72,-2.36 103.05,103.85
VCC_3V3_OUT on SIG1: 62.8,103.62 102.66,103.63 103.33,-1.97 48.43,-1.97 49,103.62

## Text on the board
User.Comments: Recall that the drawing is a flipped version of this. Because of this the connectors are flipped. X2 on the left X1 on the right.
F.Silkscreen: REV A / Mariner 1-A / By Luca Lanzillotta, John Pollack, and Kelly Williams
